# Altium PCB PCB_power_unit.PcbDoc (part 1 of 2)
Units mm, origin at the board's own origin, x right, y up, seen from the top; angles counter-clockwise.
Board outline 73 x 61.5 mm, 4 copper layers (Top Layer, INT1, INT2, Bottom Layer), stack 1.49 mm thick; 113 components, 47 nets, 333 pads, 153 vias.
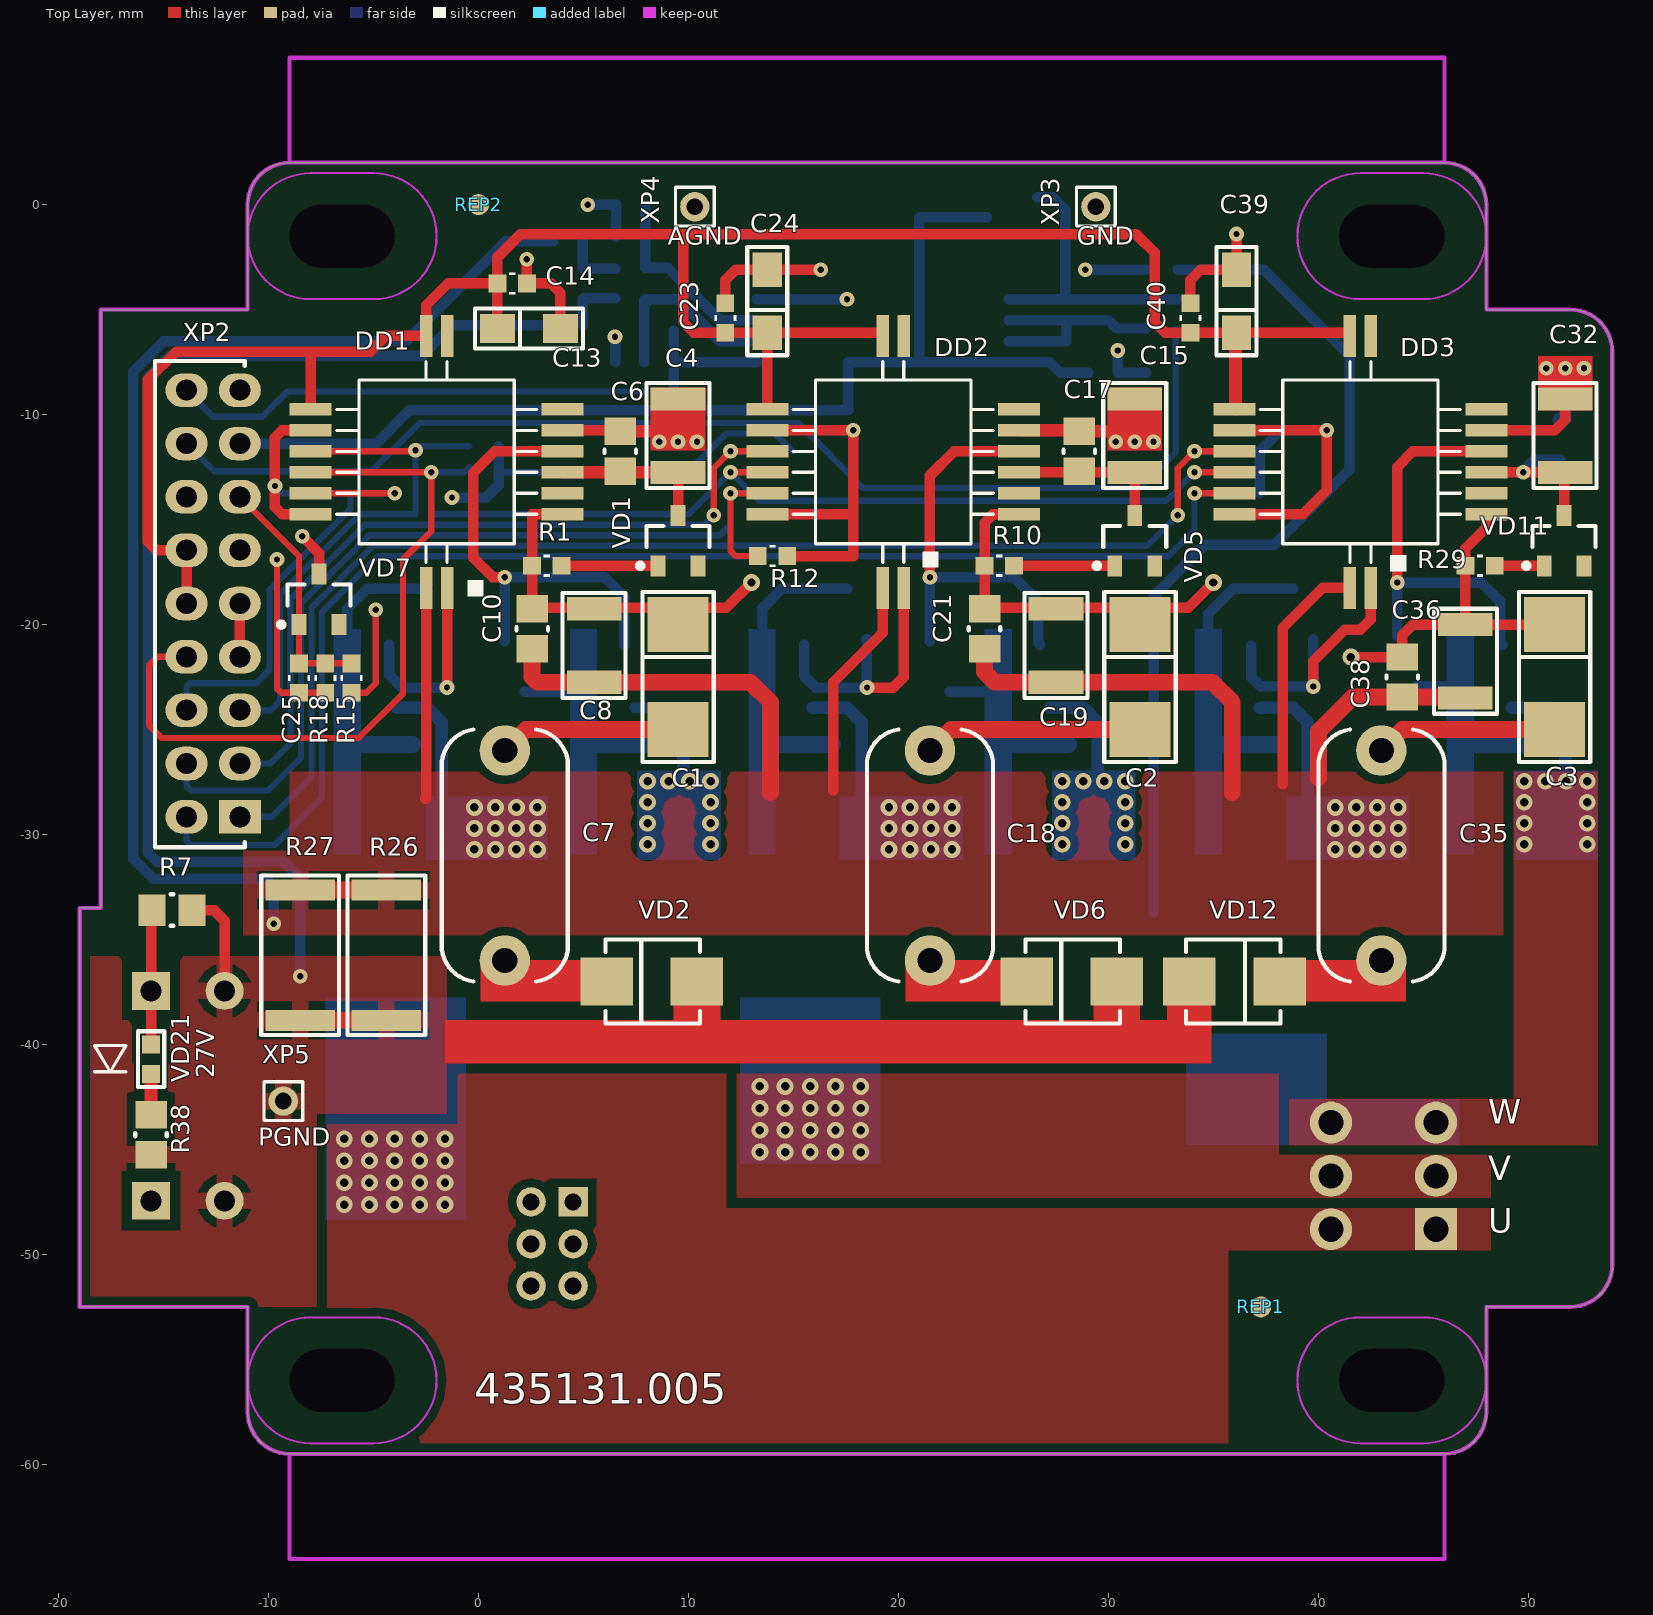
[diagram p0: Top Layer view]
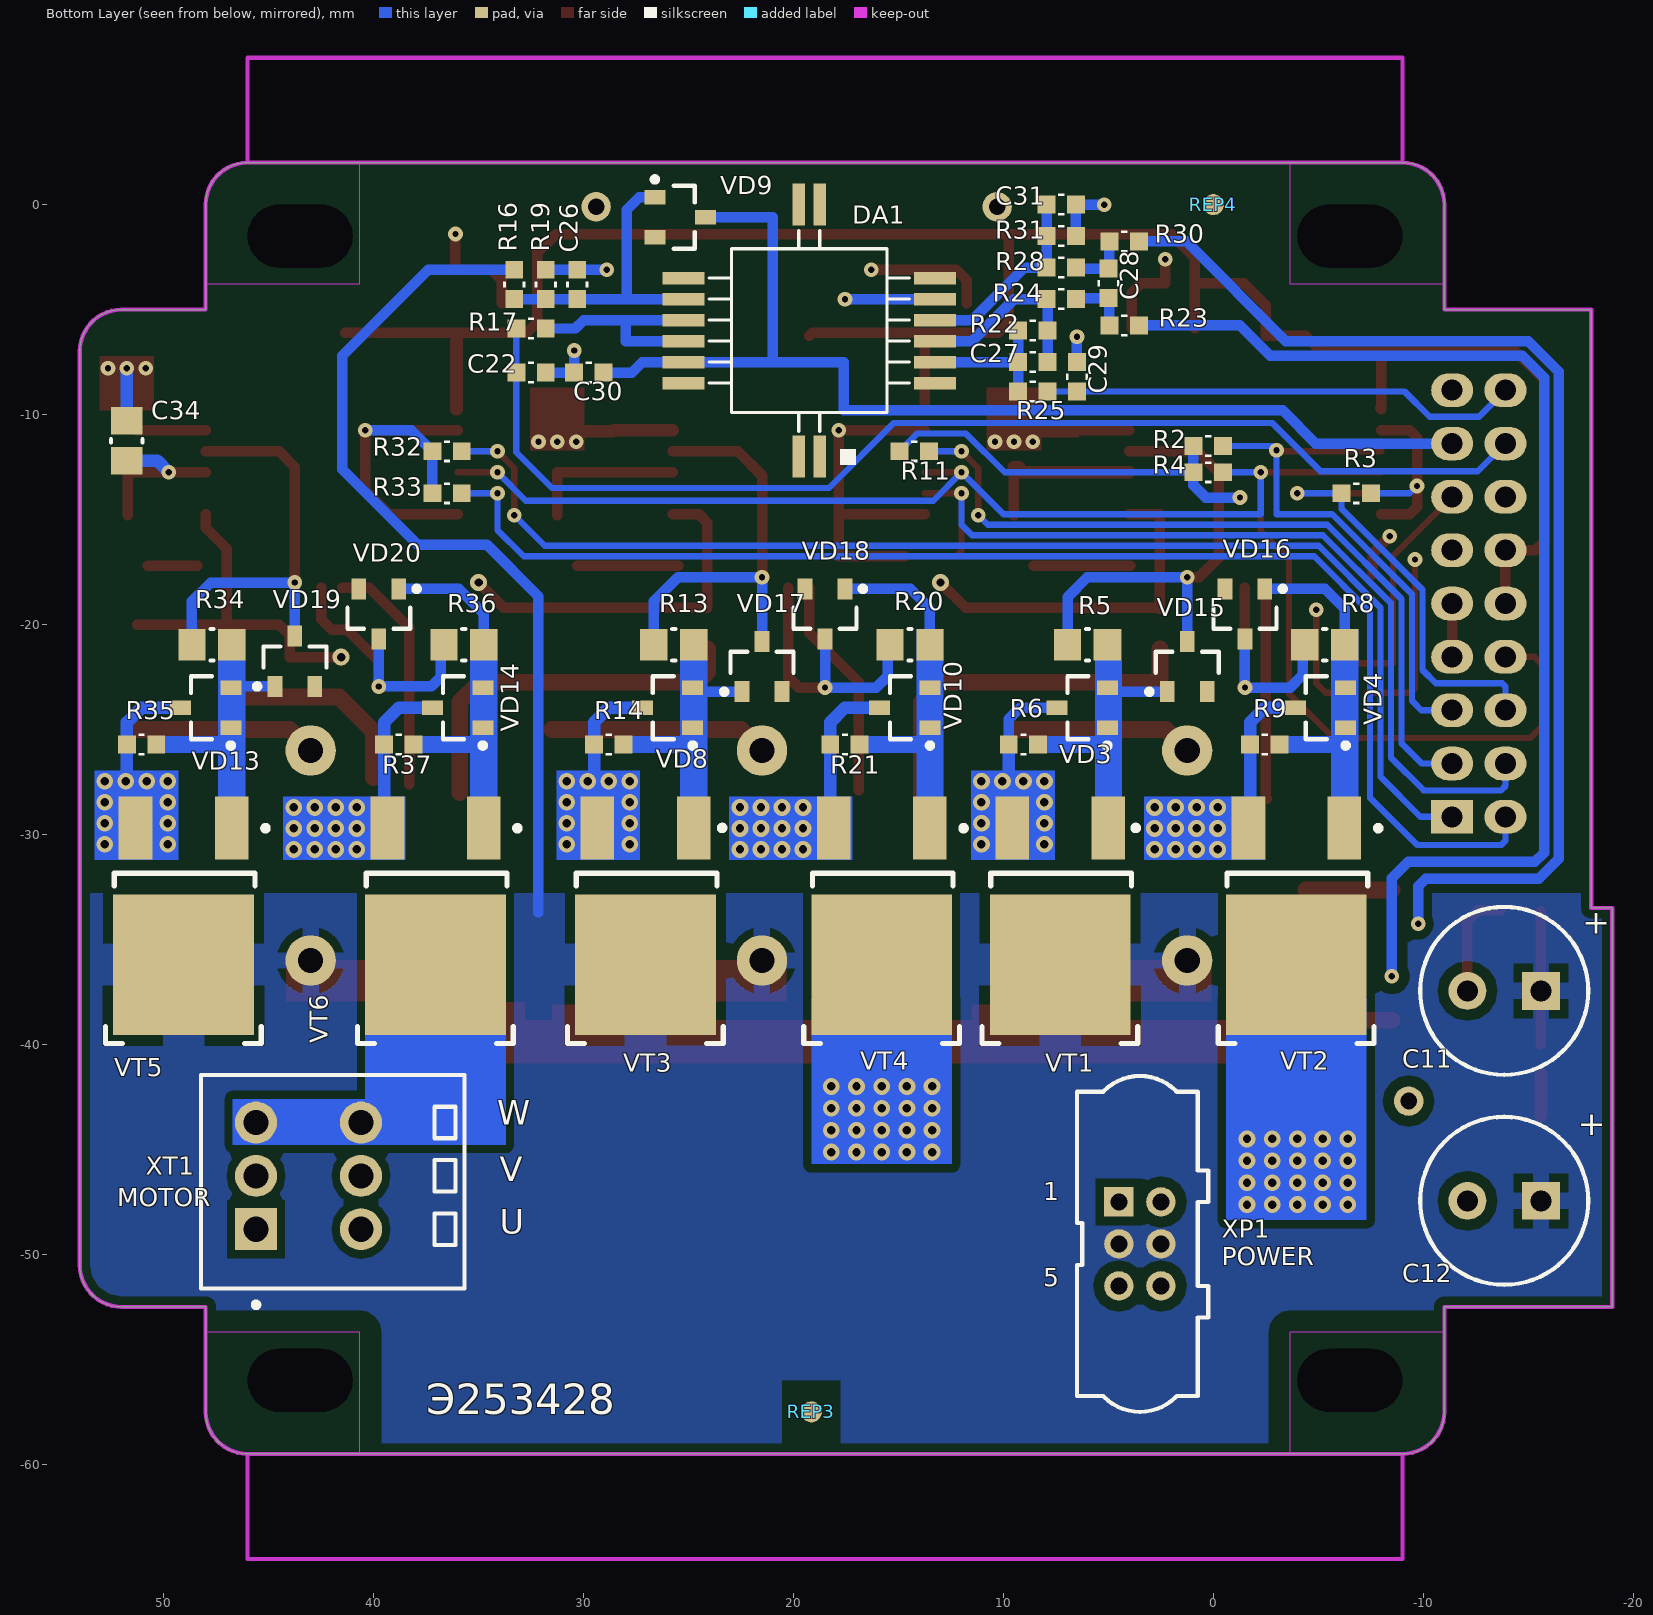
[diagram p1: Bottom Layer view, seen from below]
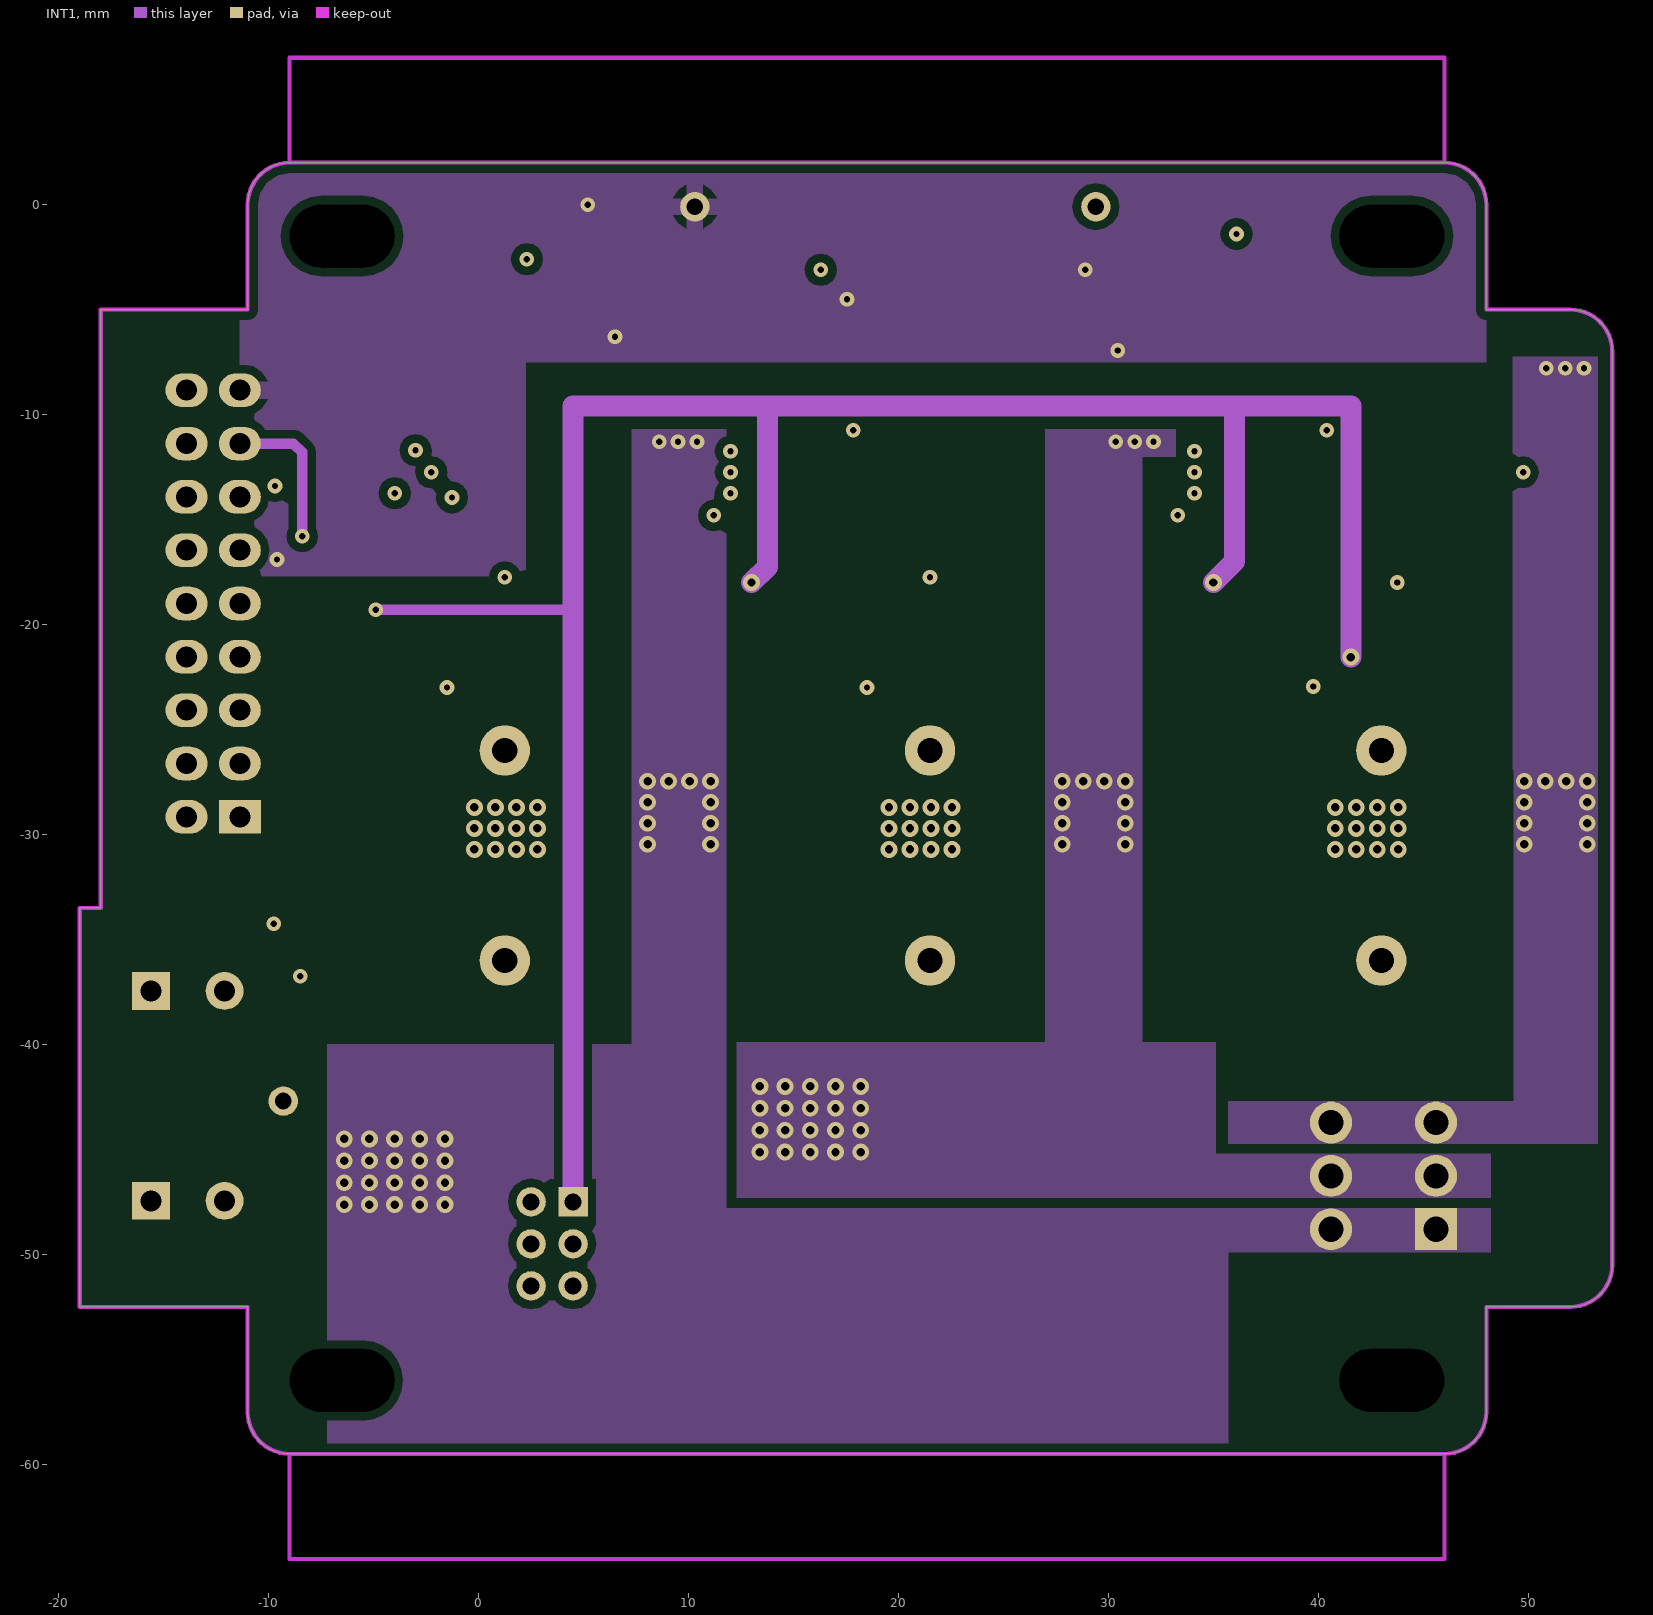
[diagram p2: INT1]
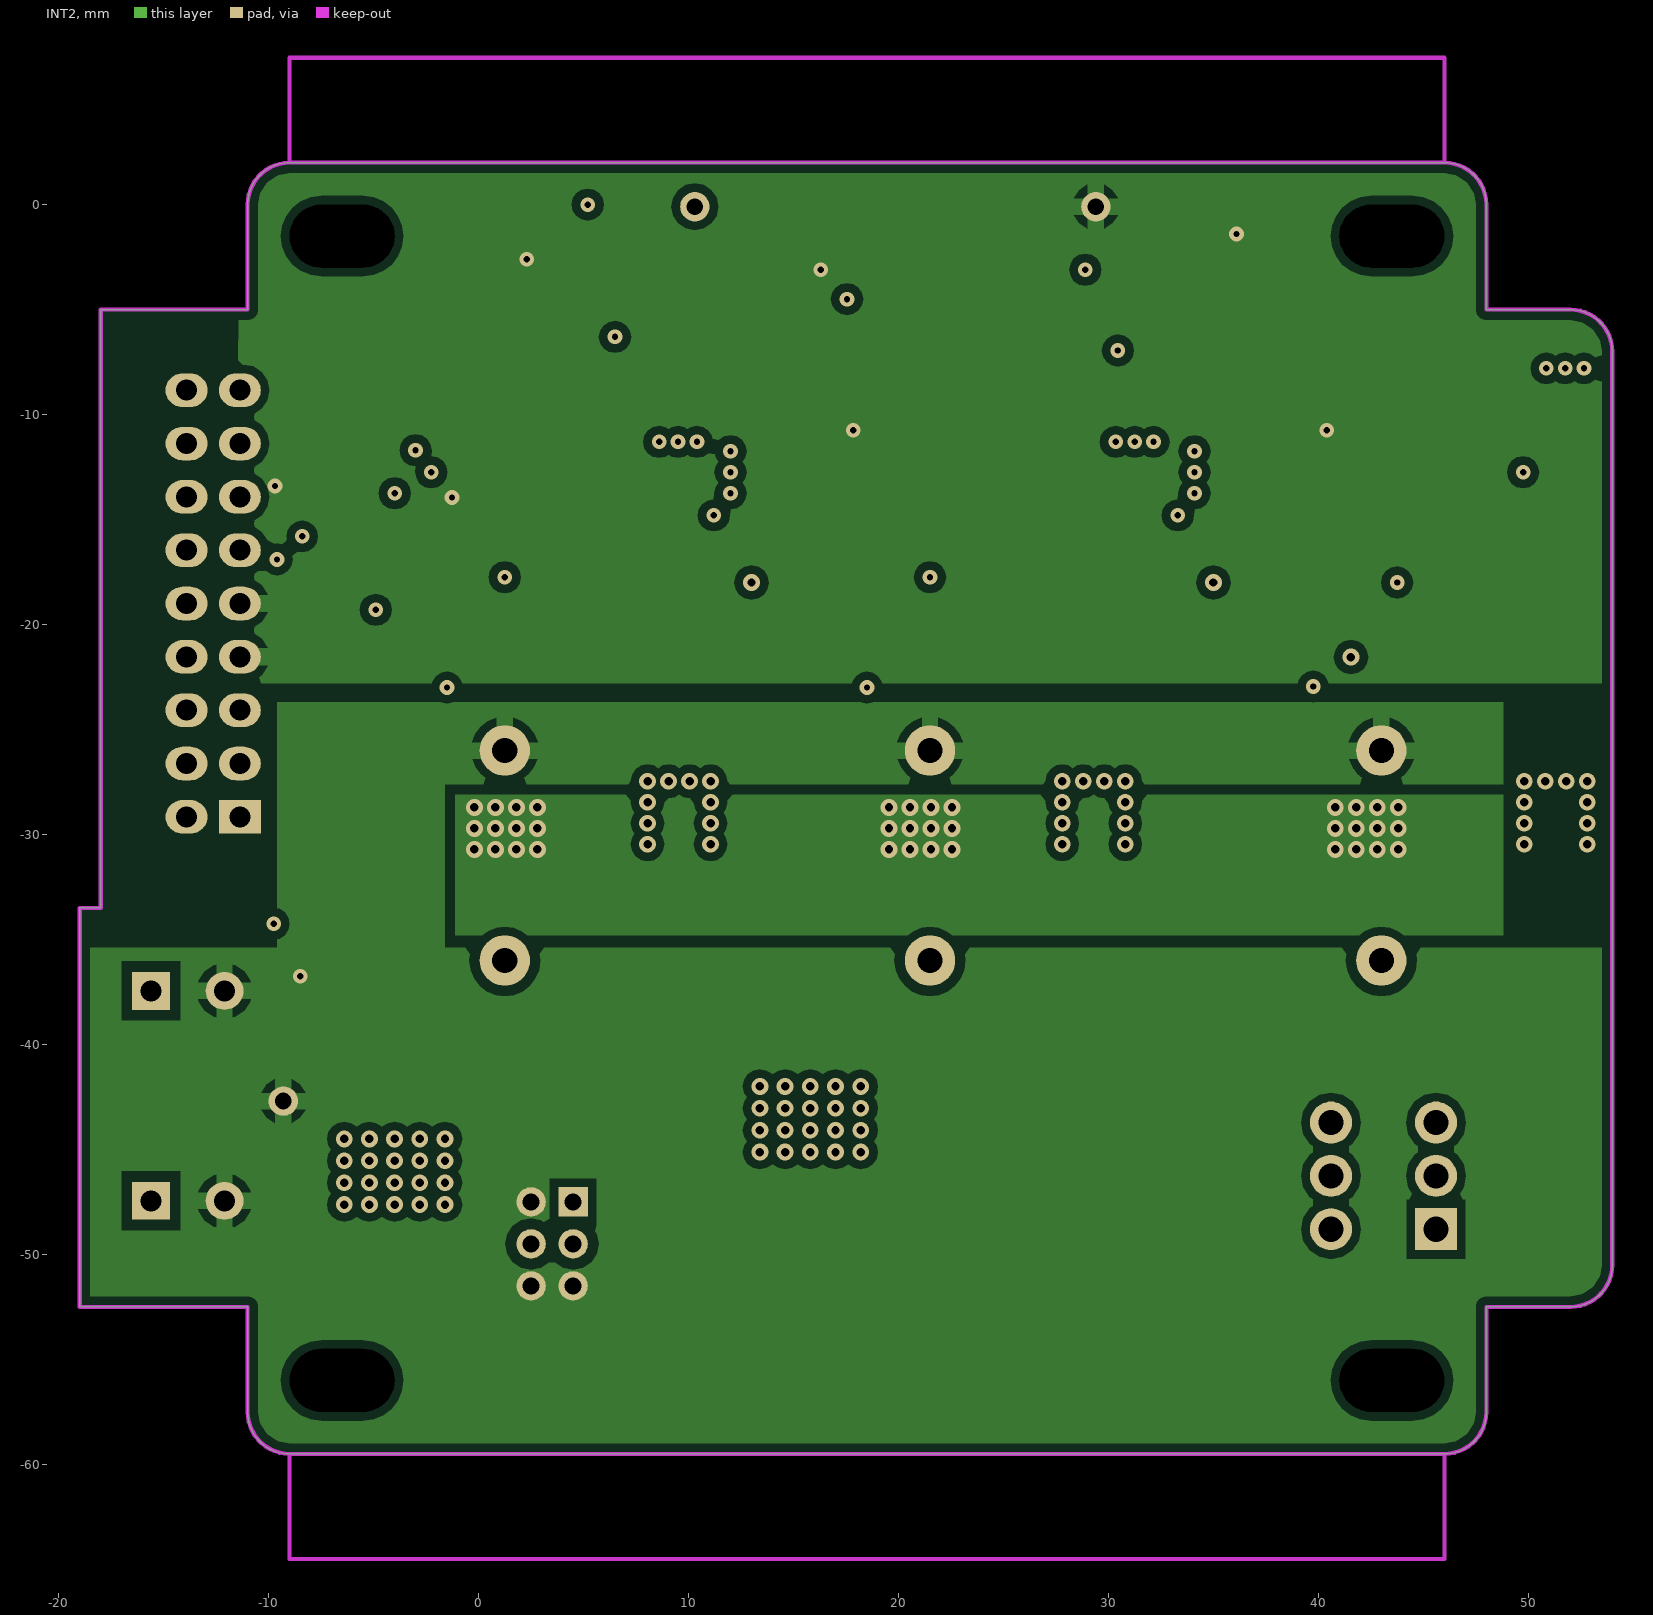
[diagram p3: INT2]
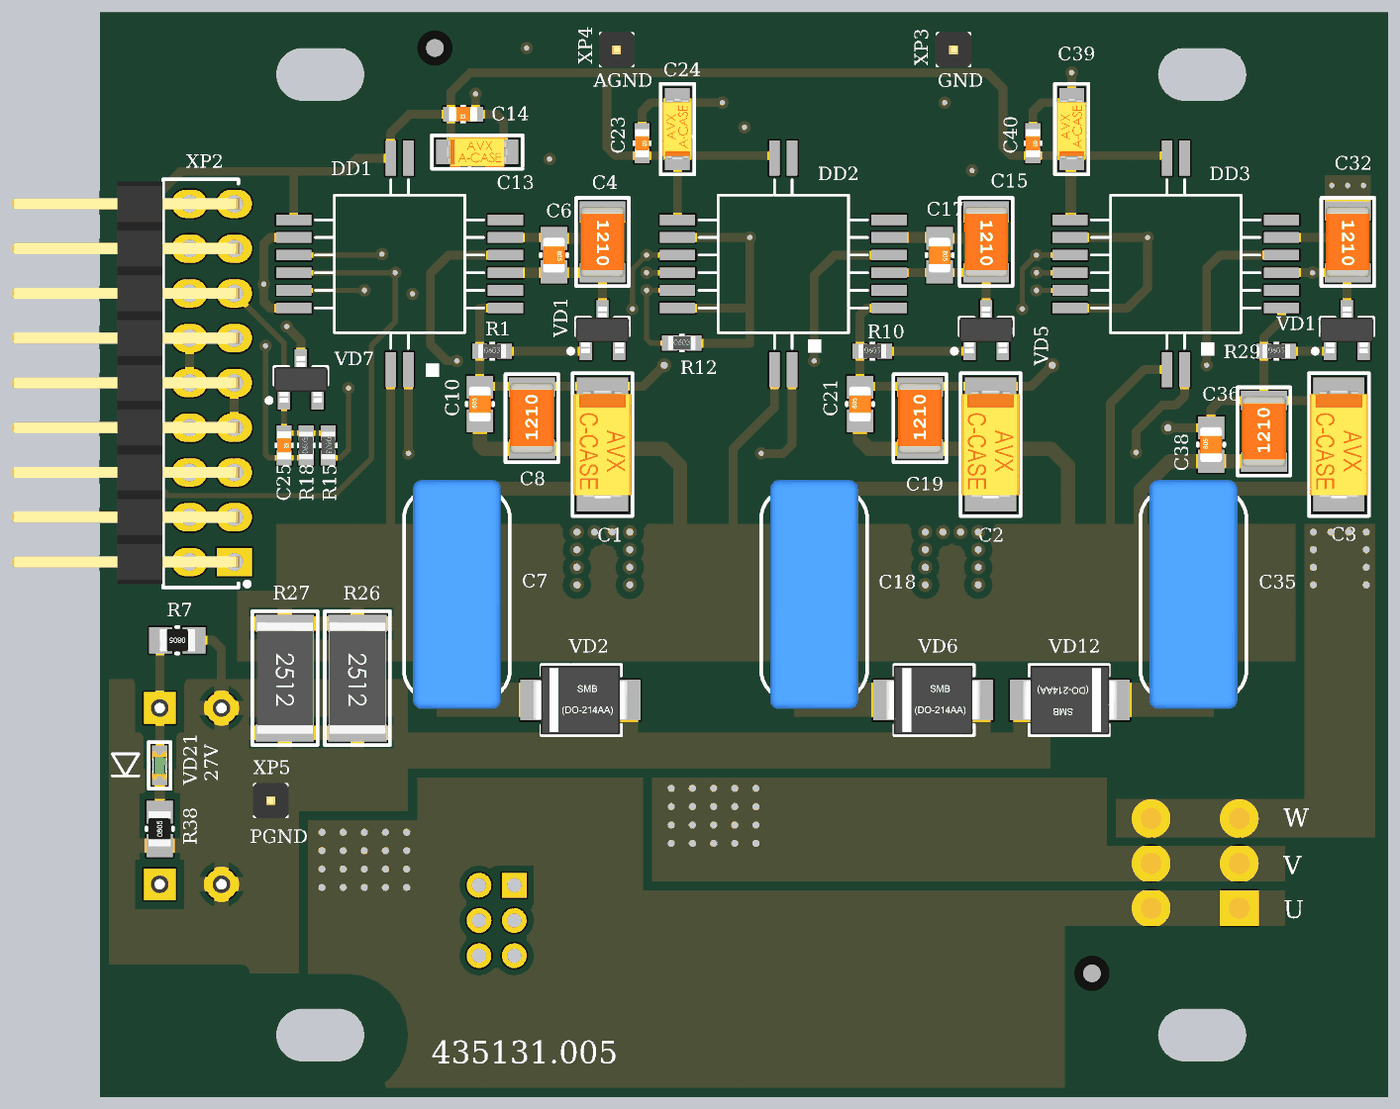
[diagram p5: 3D render of the assembled board from above, using the file's embedded part models]